# Altium PCB MAX96724_COUPON.PcbDoc (part 1 of 2)
Units mm, origin at the board's own origin, x right, y up, seen from the top; angles counter-clockwise.
Board outline 95 x 90 mm, 4 copper layers (TOP, INT1, INT2, BOT), stack 1.586 mm thick; 183 components, 135 nets, 552 pads, 449 vias.
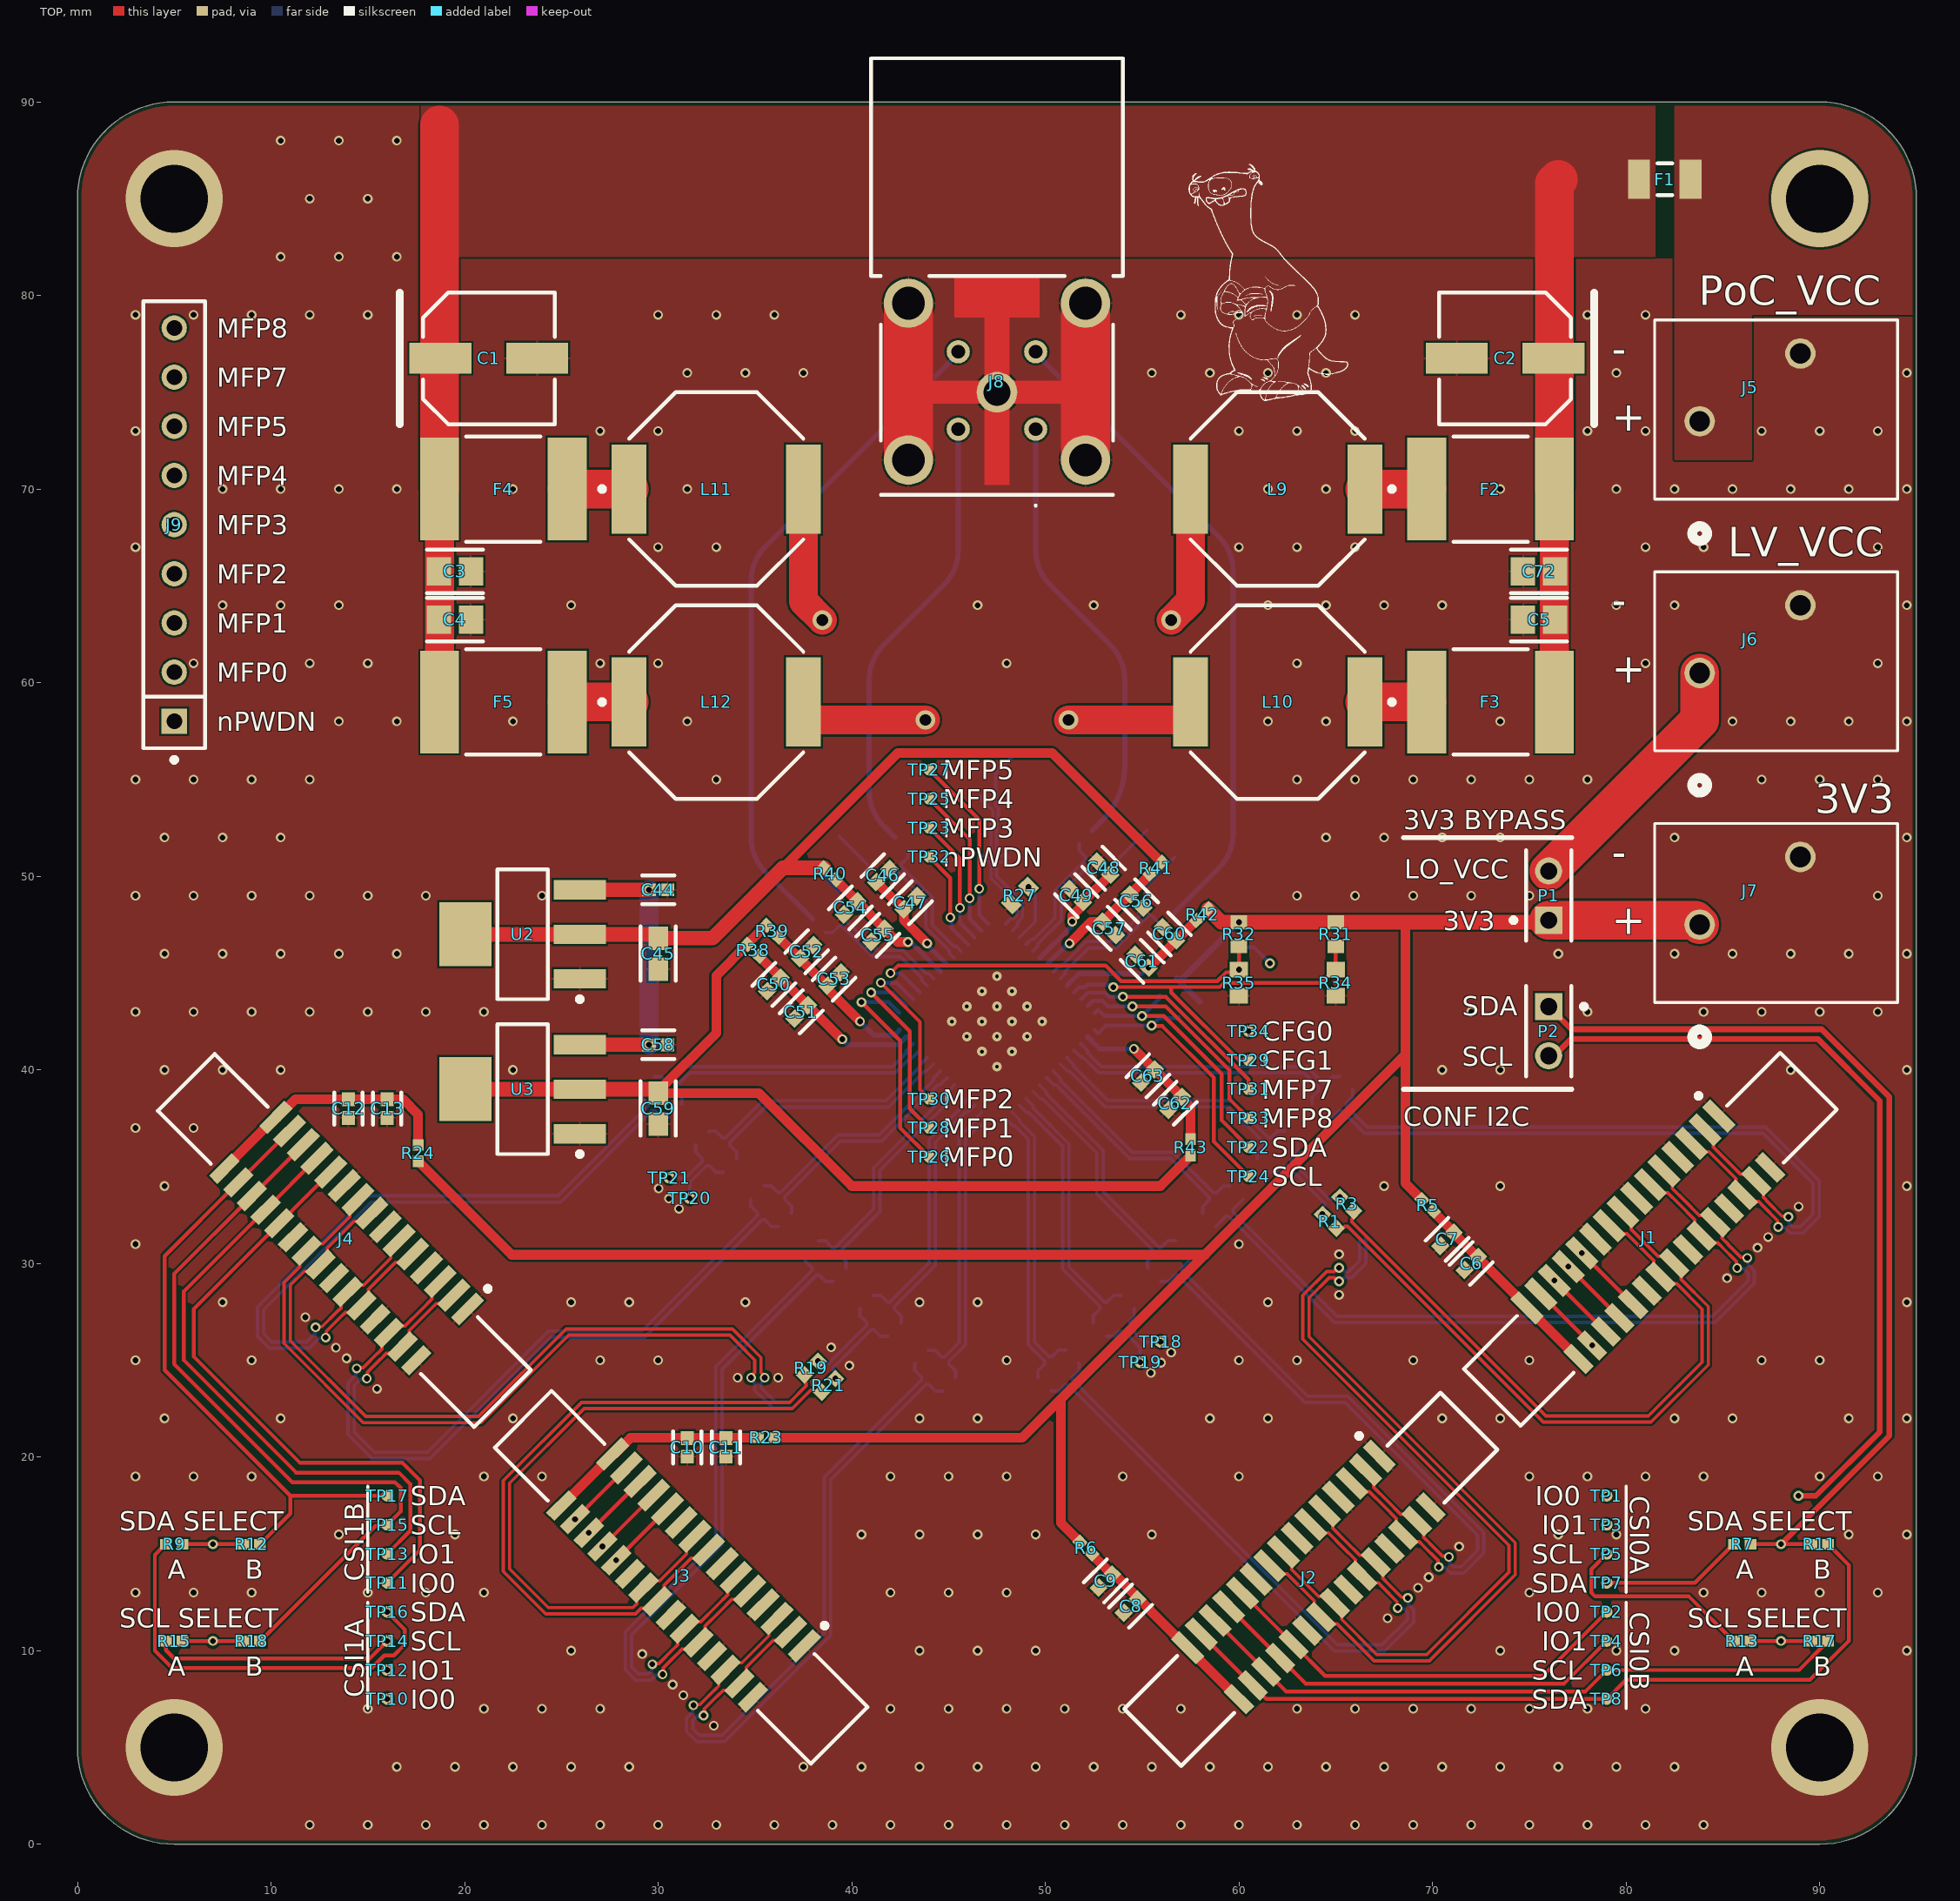
[diagram p0: TOP view]
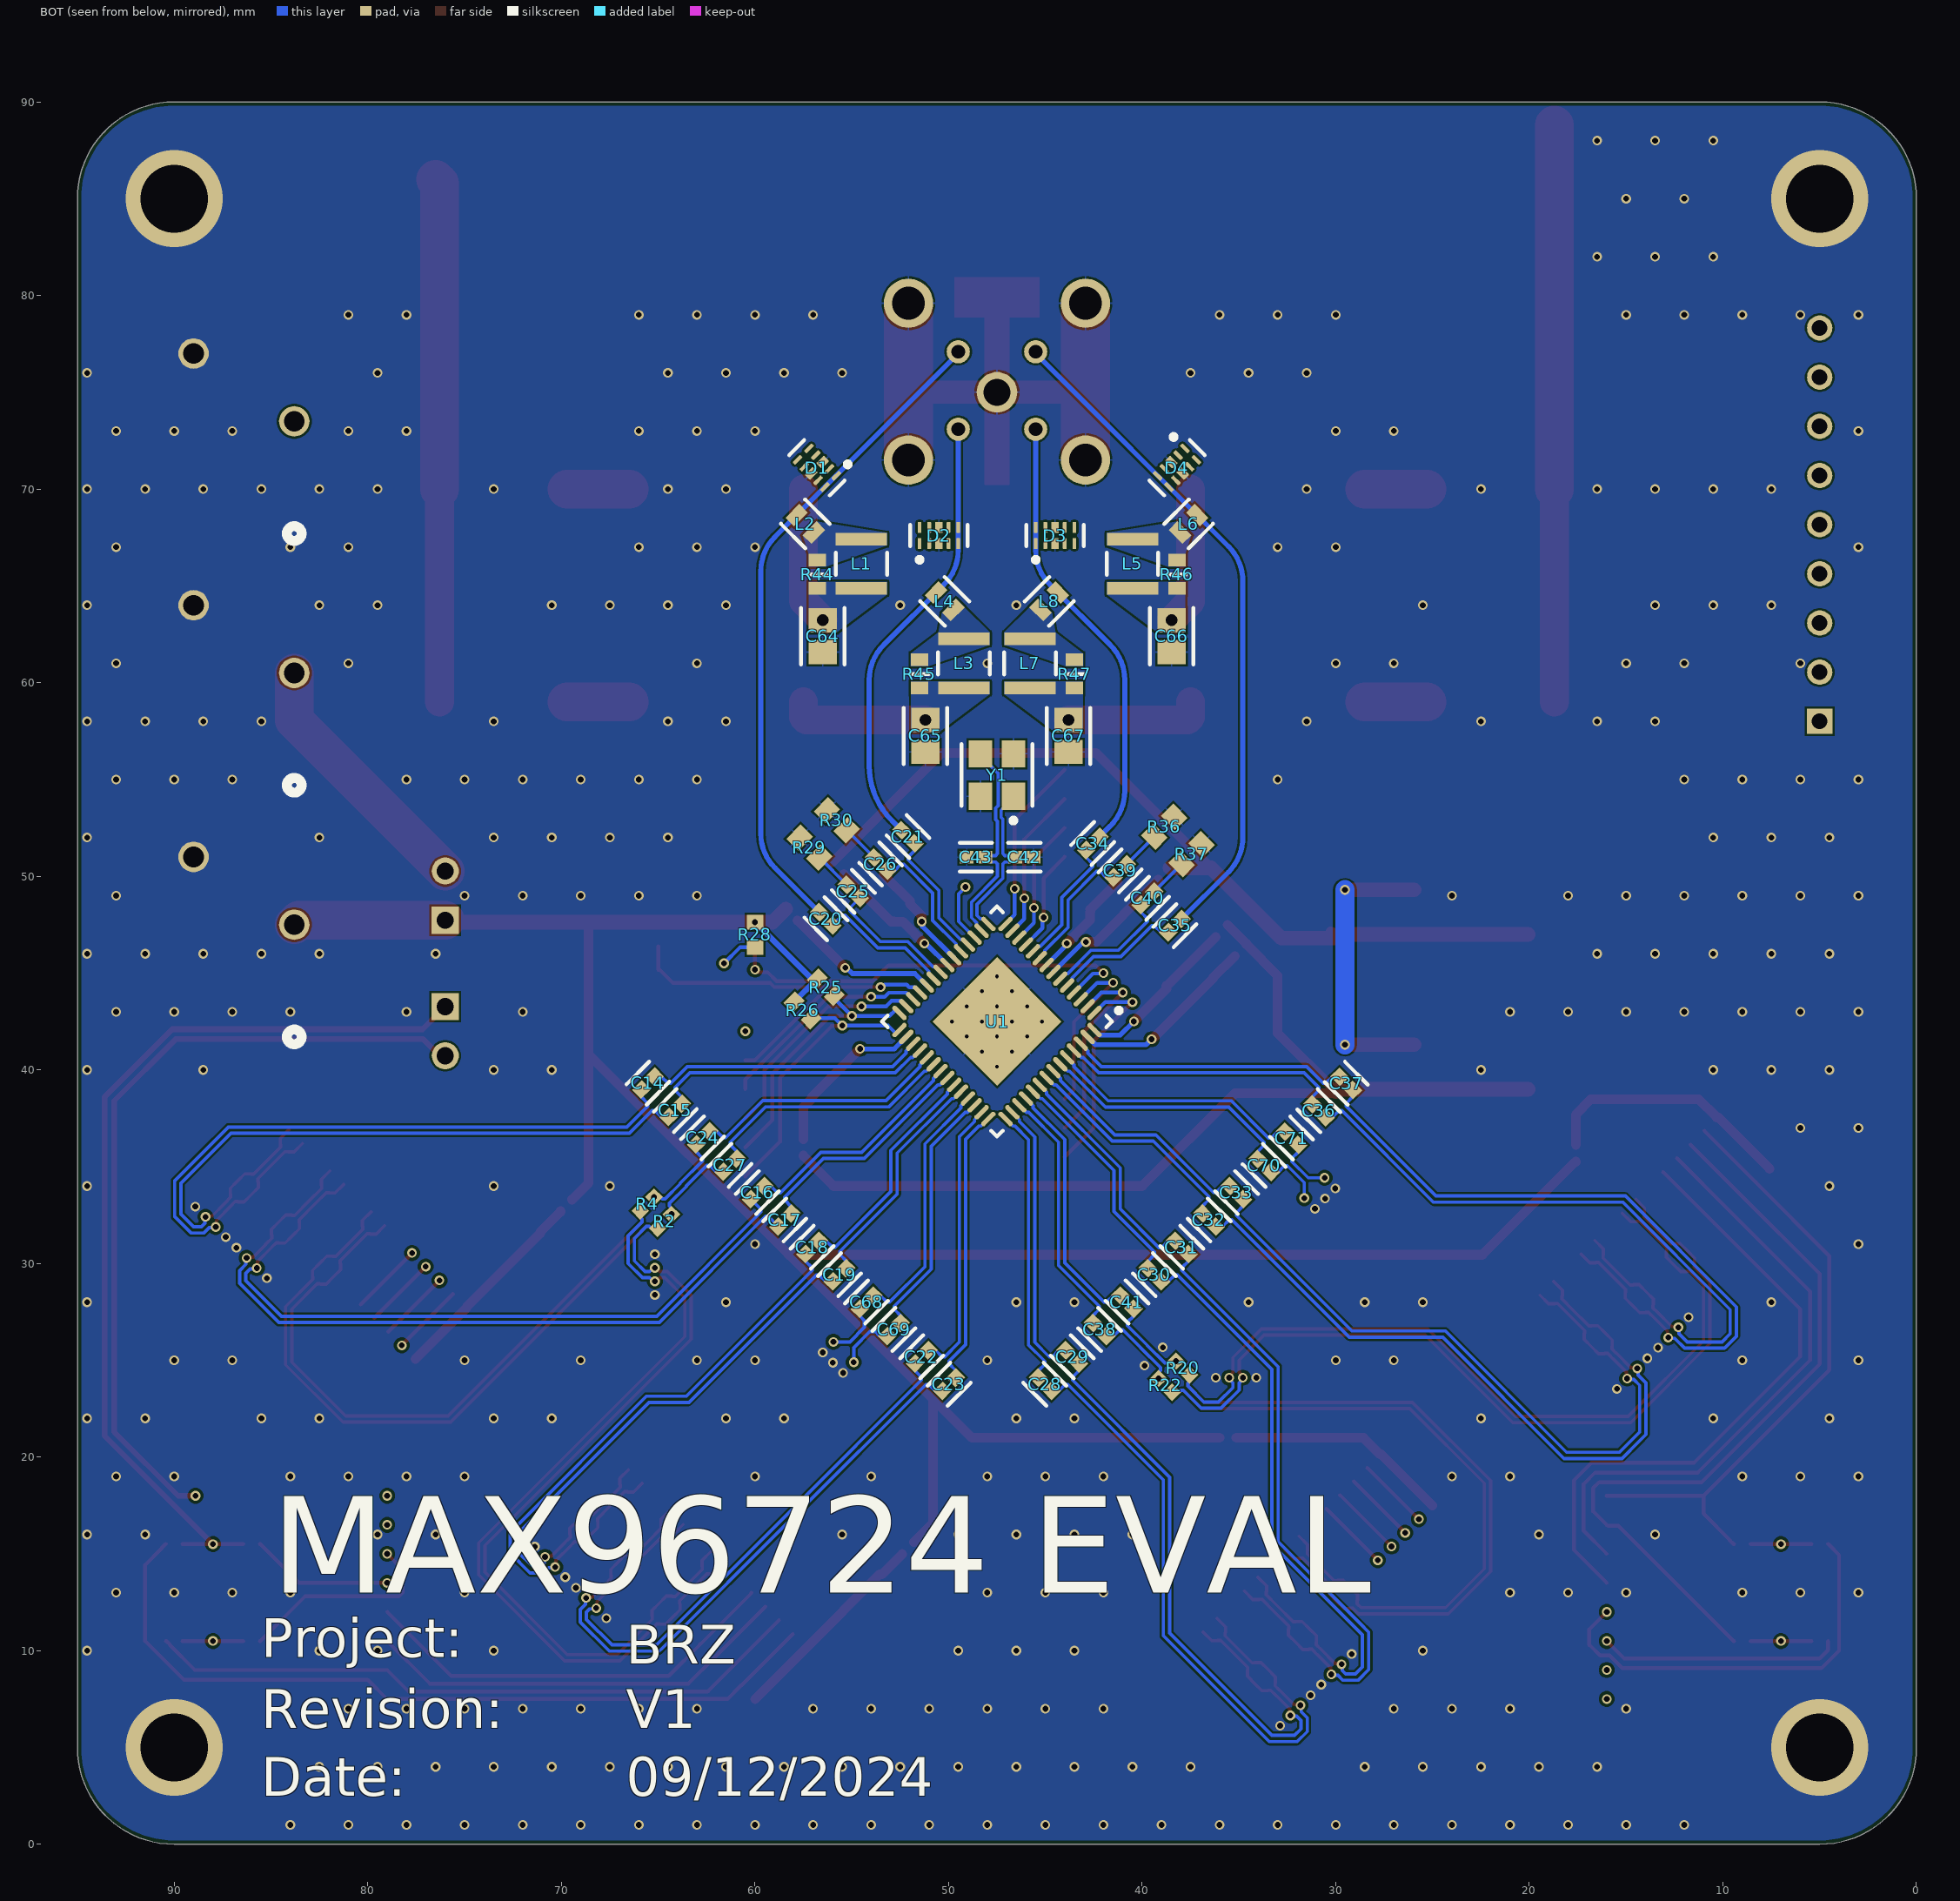
[diagram p1: BOT view, seen from below]
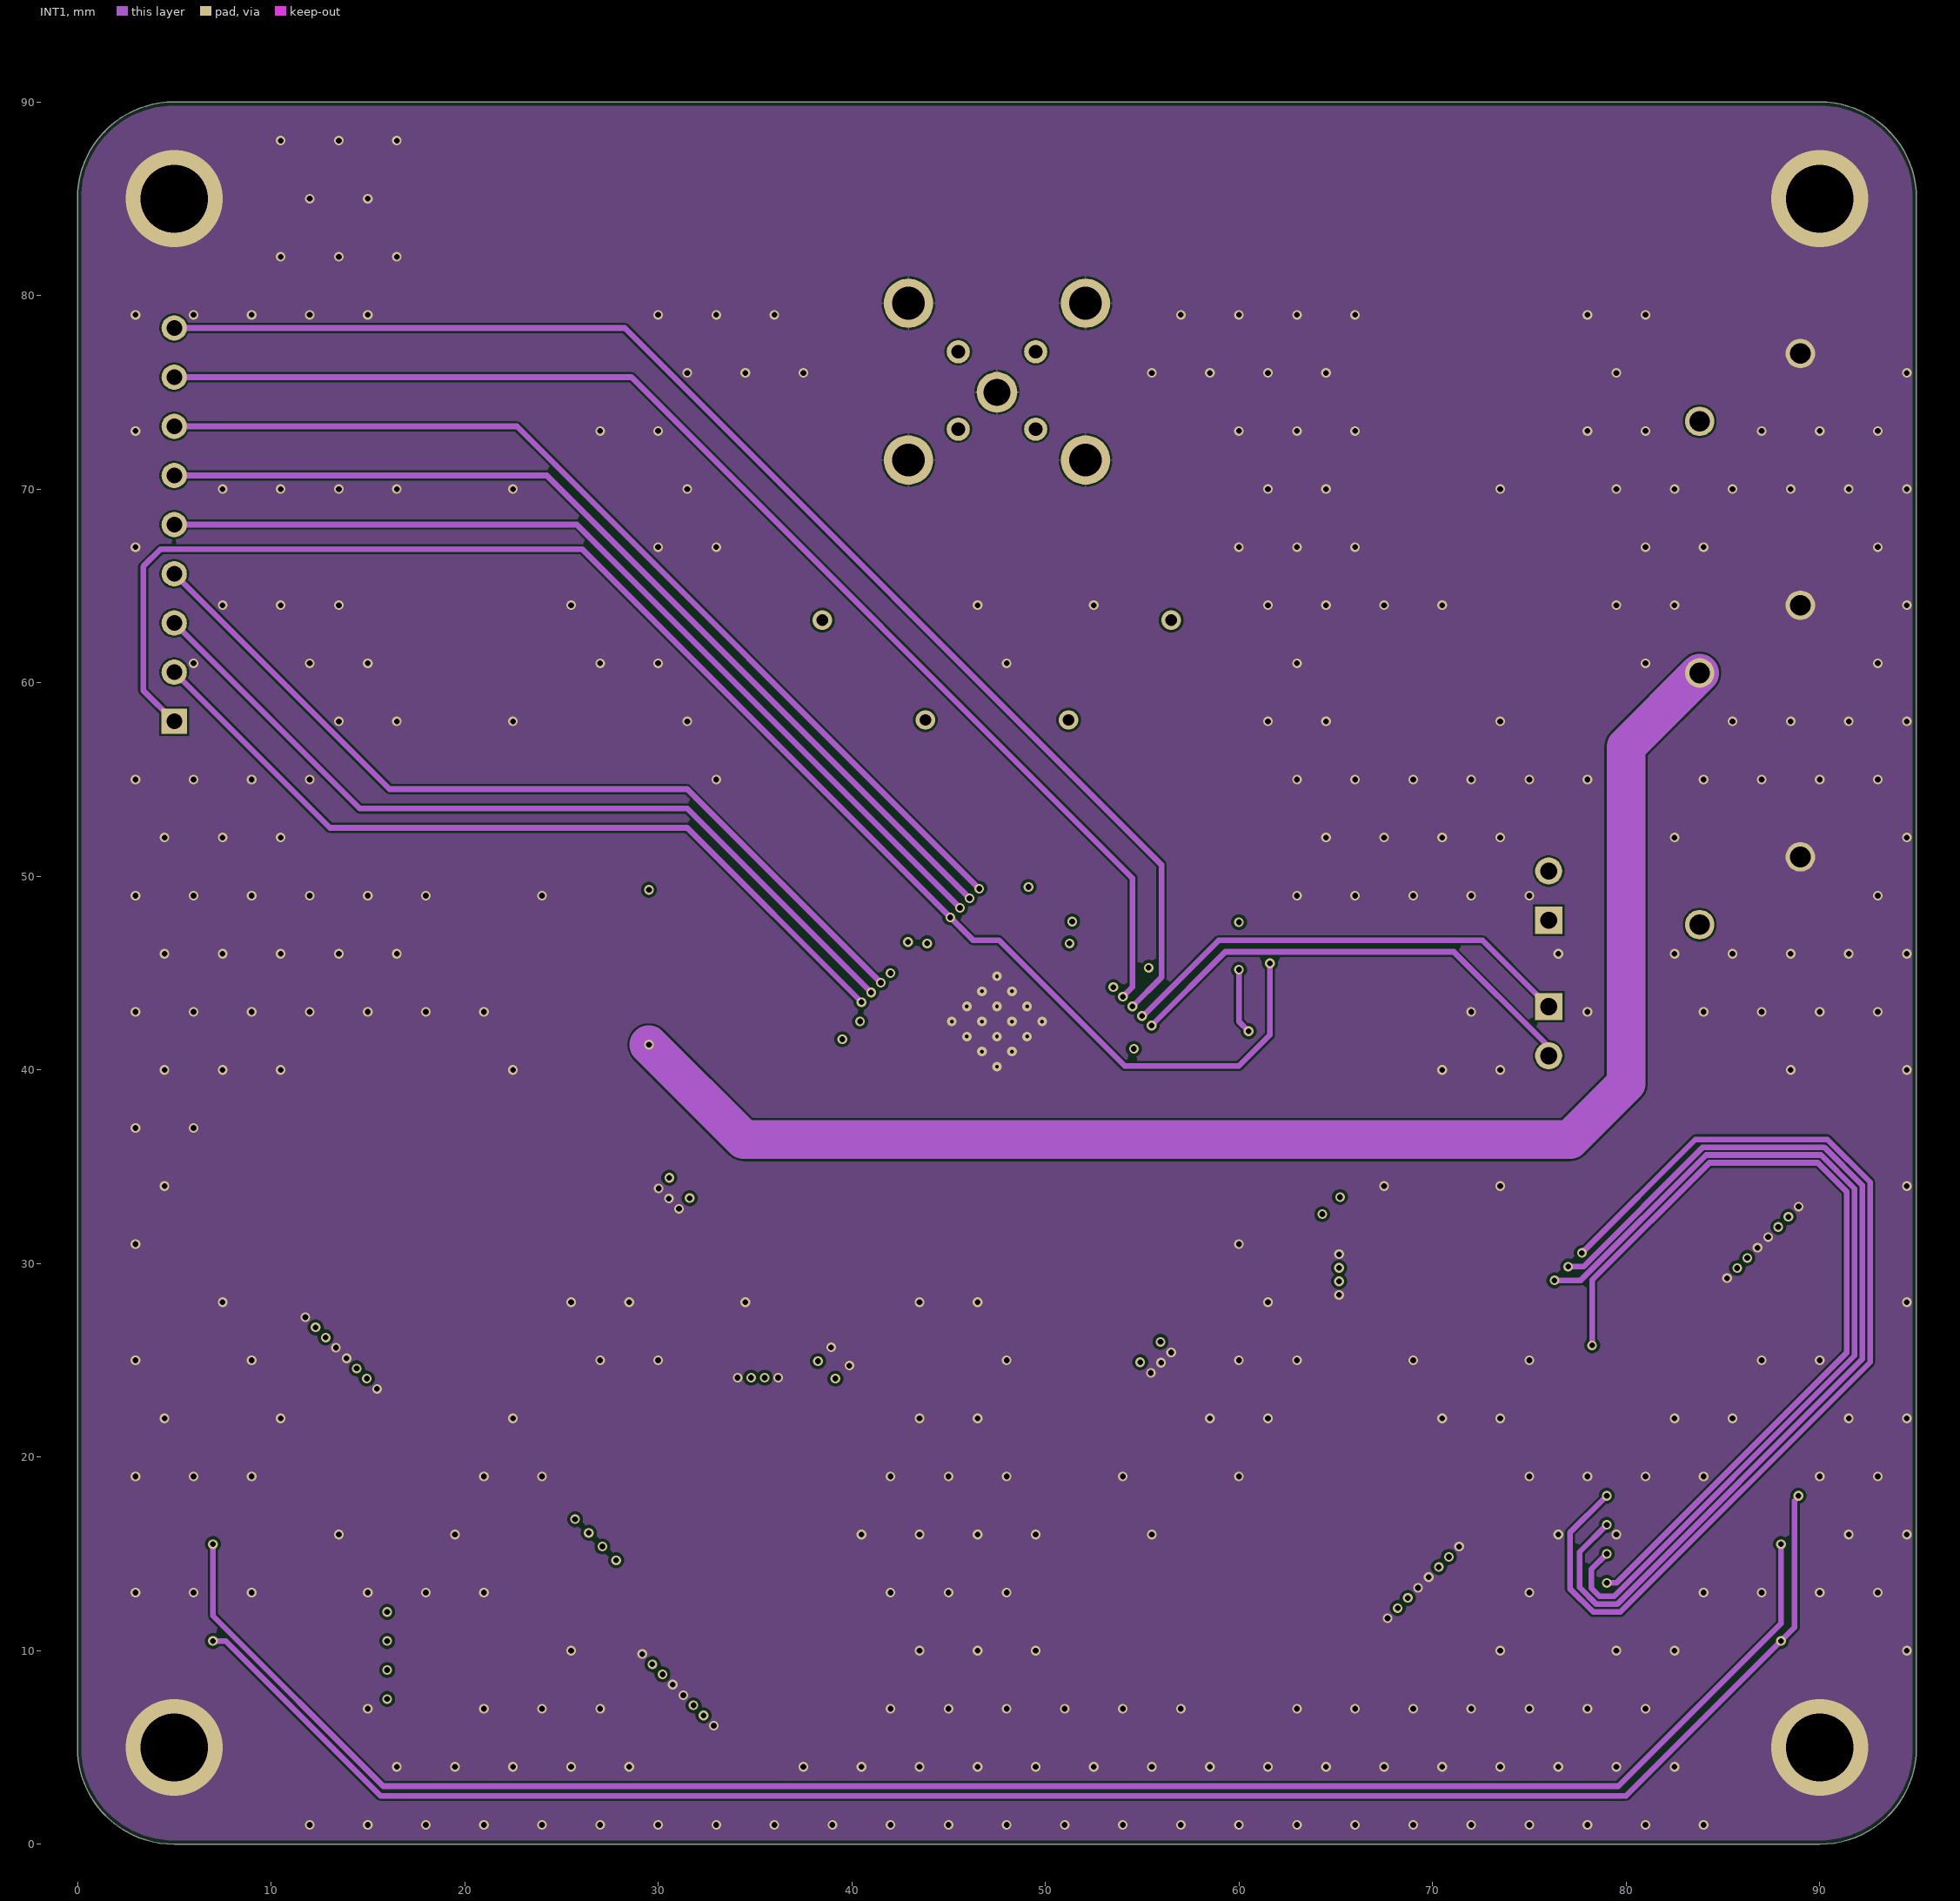
[diagram p2: INT1]